# KiCad board Top PCB.kicad_pcb
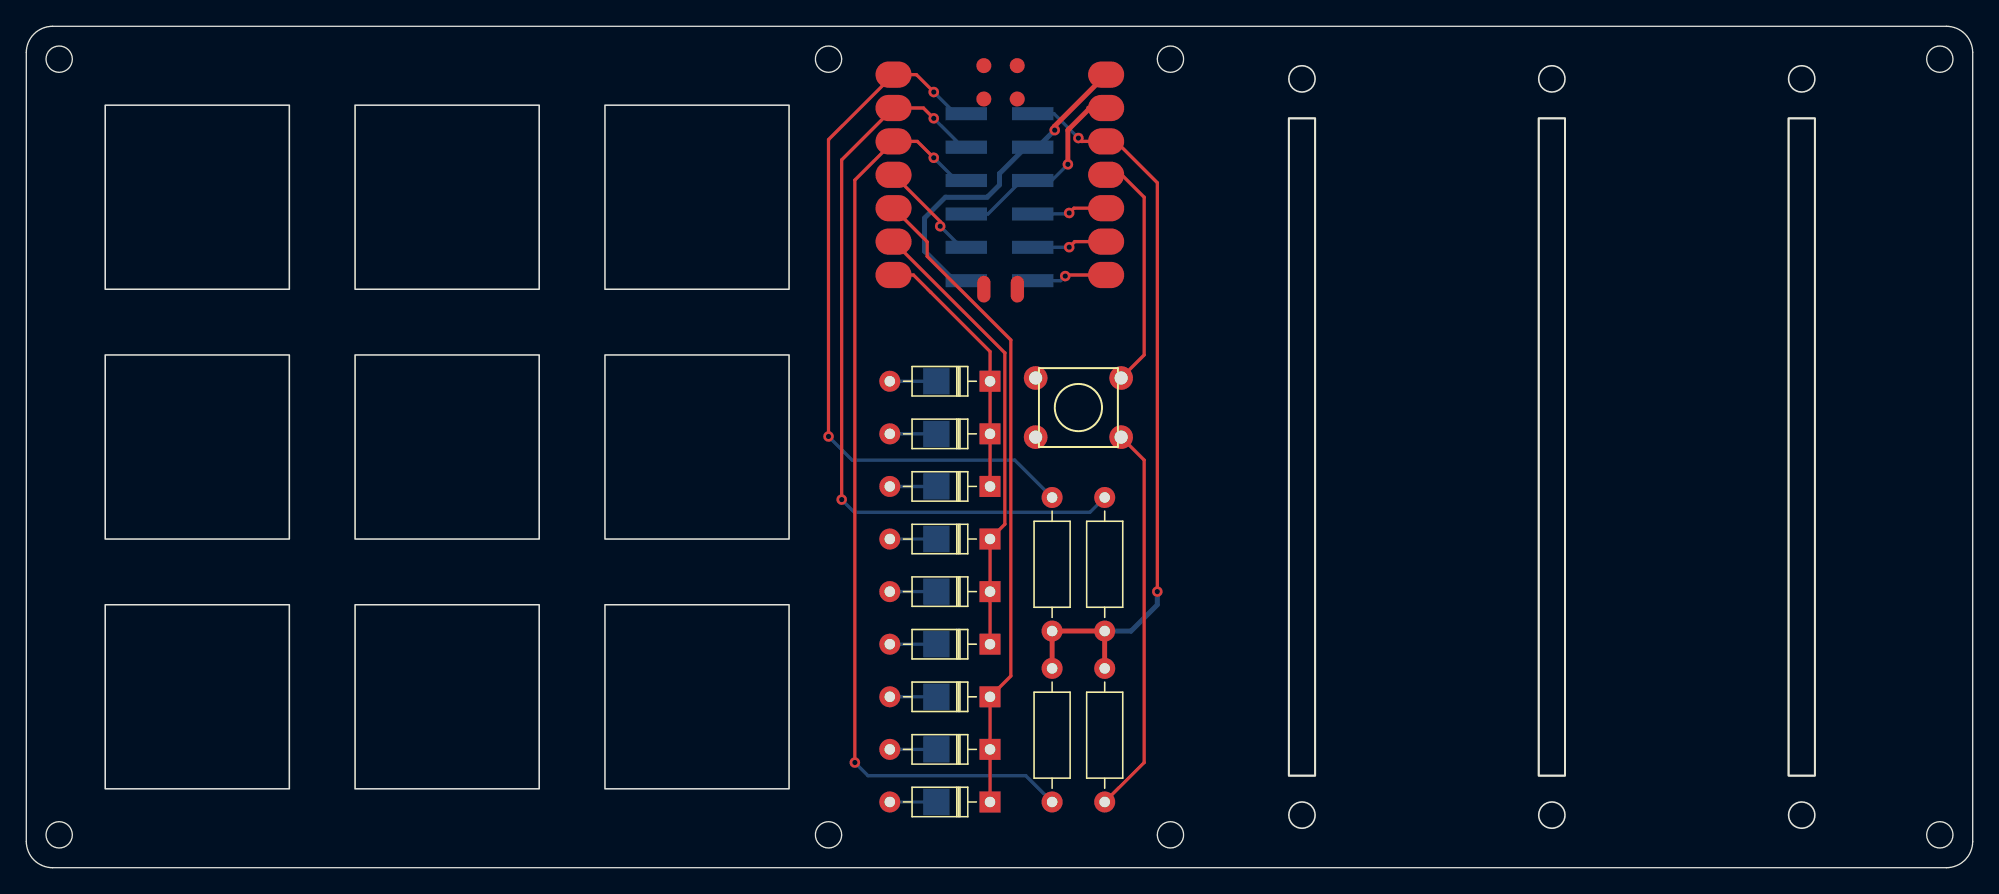
[diagram p0: board, top side]
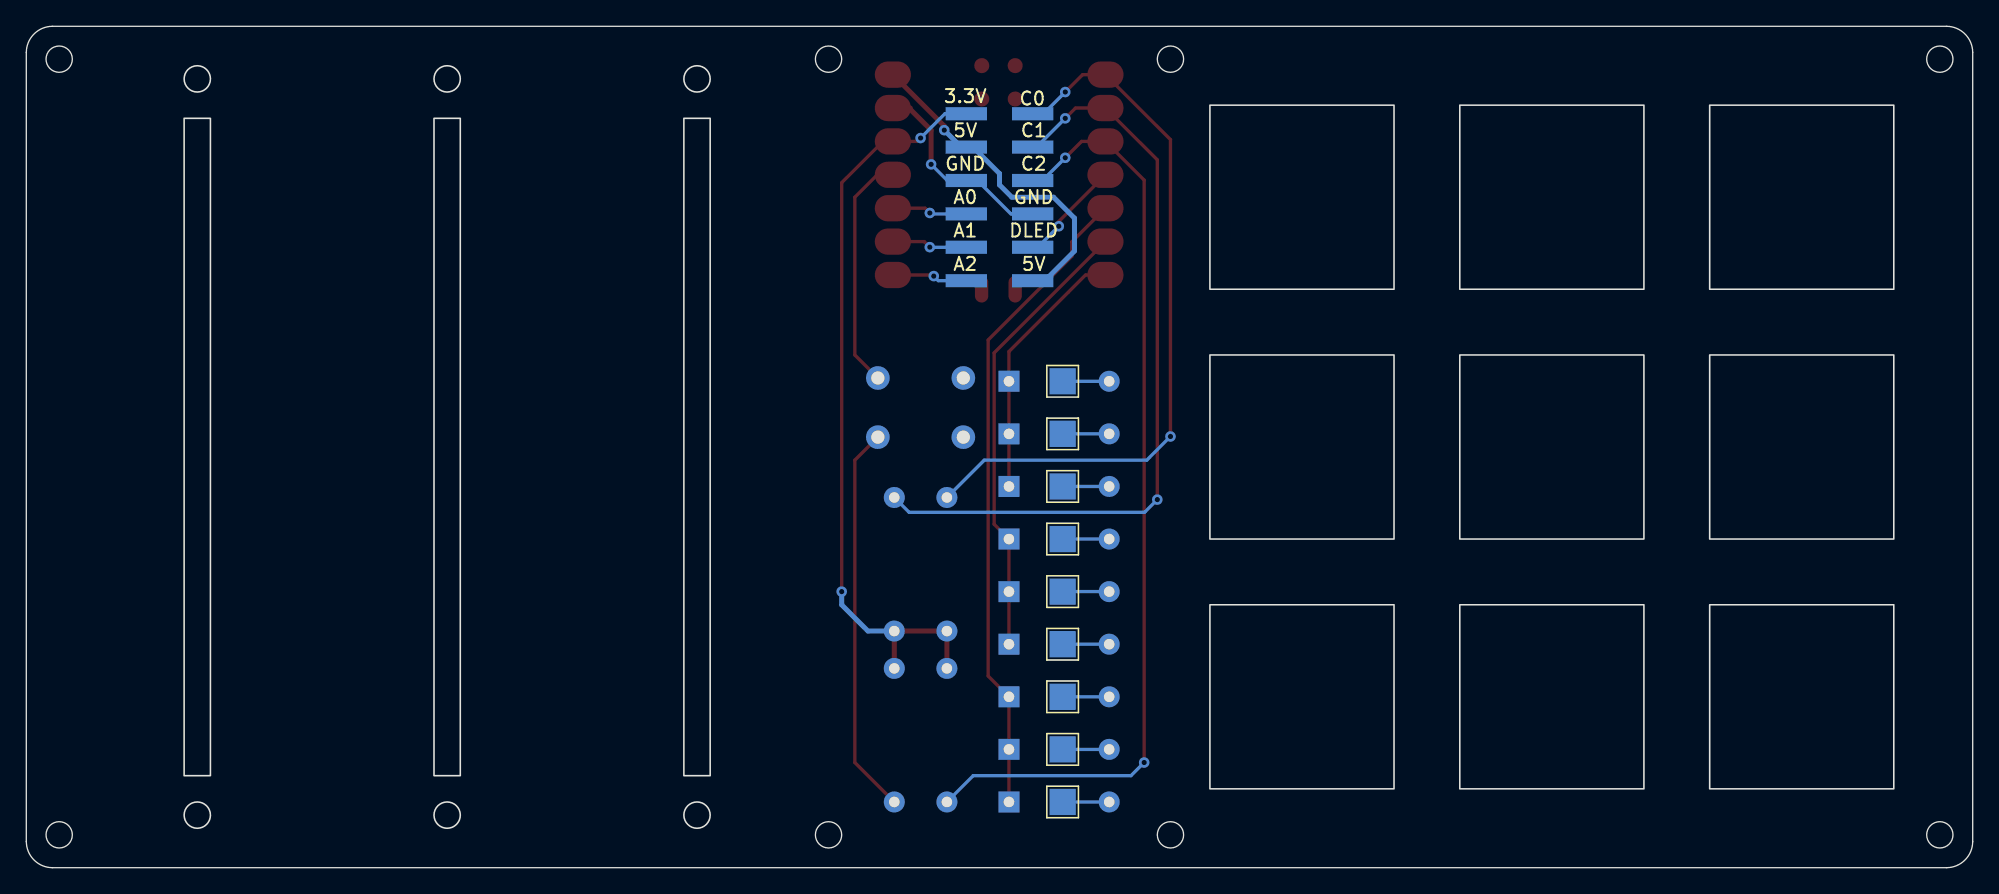
[diagram p1: board, bottom side, seen from below]

Outline 148 x 64 mm; copper layers: Top, Bottom. Coordinates in mm from the lower left corner of the outline.
Outline path: circle c2.5,61.5 r1 ; circle c2.5,2.5 r1 ; circle c61,61.5 r1 ; circle c61,2.5 r1 ; circle c87,61.5 r1 ; circle c87,2.5 r1 ; circle c145.5,61.5 r1 ; circle c145.5,2.5 r1 ; 0,62 arc(0.59,63.41) 2,64 146,64 arc(147.41,63.41) 148,62 148,2 arc(147.41,0.59) 146,0 2,0 arc(0.59,0.59) 0,2 0,62
Stack: Top 0.035mm / dielectric 1.51mm FR4 er 4.5 / Bottom 0.035mm

## Placement (name value [footprint] x y rotation side)
D1  1N4148  [D_DO-35_SOD27_P7.62mm_Horizontal]  73.28 5 180 top
D2  1N4148  [D_DO-35_SOD27_P7.62mm_Horizontal]  73.28 17 180 top
D3  1N4148  [D_DO-35_SOD27_P7.62mm_Horizontal]  73.28 29 180 top
D4  1N4148  [D_DO-35_SOD27_P7.62mm_Horizontal]  73.28 9 180 top
D5  1N4148  [D_DO-35_SOD27_P7.62mm_Horizontal]  73.28 21 180 top
D6  1N4148  [D_DO-35_SOD27_P7.62mm_Horizontal]  73.28 33 180 top
D7  1N4148  [D_DO-35_SOD27_P7.62mm_Horizontal]  73.28 13 180 top
D8  1N4148  [D_DO-35_SOD27_P7.62mm_Horizontal]  73.28 25 180 top
D9  1N4148  [D_DO-35_SOD27_P7.62mm_Horizontal]  73.28 37 180 top
J1  Conn_02x06_Counter_Clockwise  [PinHeader_2x06_P2.54mm_Vertical_SMD]  74 51 180 bottom
J2  TestPoint  [TestPoint_Pad_2.0x2.0mm]  69.2 5 180 bottom
J3  TestPoint  [TestPoint_Pad_2.0x2.0mm]  69.2 17 180 bottom
J4  TestPoint  [TestPoint_Pad_2.0x2.0mm]  69.2 29 180 bottom
J5  TestPoint  [TestPoint_Pad_2.0x2.0mm]  69.2 9 180 bottom
J6  TestPoint  [TestPoint_Pad_2.0x2.0mm]  69.2 21 180 bottom
J7  TestPoint  [TestPoint_Pad_2.0x2.0mm]  69.2 33 180 bottom
J8  TestPoint  [TestPoint_Pad_2.0x2.0mm]  69.2 37 180 bottom
J9  TestPoint  [TestPoint_Pad_2.0x2.0mm]  69.2 13 180 bottom
J10  TestPoint  [TestPoint_Pad_2.0x2.0mm]  69.2 25 180 bottom
MX1  MX-NoLED  [Cherry Cutout]  13 51 0 top
MX2  MX-NoLED  [Cherry Cutout]  32 51 0 top
MX3  MX-NoLED  [Cherry Cutout]  51 51 0 top
MX4  MX-NoLED  [Cherry Cutout]  13 32 0 top
MX5  MX-NoLED  [Cherry Cutout]  32 32 0 top
MX6  MX-NoLED  [Cherry Cutout]  51 32 0 top
MX7  MX-NoLED  [Cherry Cutout]  13 13 0 top
MX8  MX-NoLED  [Cherry Cutout]  32 13 0 top
MX9  MX-NoLED  [Cherry Cutout]  51 13 0 top
R1  10k  [R_Axial_DIN0207_L6.3mm_D2.5mm_P10.16mm_Horizontal]  78 18 90 top
R2  10k  [R_Axial_DIN0207_L6.3mm_D2.5mm_P10.16mm_Horizontal]  82 18 90 top
R3  10k  [R_Axial_DIN0207_L6.3mm_D2.5mm_P10.16mm_Horizontal]  78 5 90 top
R5  10k  [R_Axial_DIN0207_L6.3mm_D2.5mm_P10.16mm_Horizontal]  82 5 90 top
R6  PTA4543-2015DPB103  [Slide Pot Cutout]  97 32 0 top
R7  PTA4543-2015DPB103  [Slide Pot Cutout]  116 32 0 top
R8  PTA4543-2015DPB103  [Slide Pot Cutout]  135 32 0 top
SW1  SW_MEC_5G  [PushButton_6x6mm_TH_Pretty]  80 35 0 top
U1  SeeeduinoXIAO  [Seeeduino XIAO-MOUDLE14P-2.54-21X17.8MM]  74 53 0 top

## Library data of the parts
D1 D5 D6 D9 = -: Field4: K; Field6: K
D2-D4 D7 D8 = -: Field4: K; Field5: K
R6-R8 = -: MANUFACTURER: Bourns; MAXIMUM_PACKAGE_HEIGHT: 21.5 mm; PARTREV: 04/21; STANDARD: Manufacturer Recommendations

## Footprints (pads in the part's own frame, mm; a bottom-side part is the same pattern mirrored in y, then rotated)
D_DO-35_SOD27_P7.62mm_Horizontal
  rect 1.6x1.6 hole 0.8: 1(0,0)
  oval 1.6x1.6 hole 0.8: 2(7.62,0)
PinHeader_2x06_P2.54mm_Vertical_SMD
  rect 3.15x1 smd: 1(-2.525,6.35) 2(2.525,6.35) 3(-2.525,3.81) 4(2.525,3.81) 5(-2.525,1.27) 6(2.525,1.27) 7(-2.525,-1.27) 8(2.525,-1.27) 9(-2.525,-3.81) 10(2.525,-3.81) 11(-2.525,-6.35) 12(2.525,-6.35)
PushButton_6x6mm_TH_Pretty
  round 1.8 hole 1: 1(3.25,2.25) 2(-3.25,-2.25) 3(3.25,-2.25) 4(-3.25,2.25)
R_Axial_DIN0207_L6.3mm_D2.5mm_P10.16mm_Horizontal
  round 1.6 hole 0.8: 1(0,0)
  oval 1.6x1.6 hole 0.8: 2(10.16,0)
Seeeduino XIAO-MOUDLE14P-2.54-21X17.8MM
  oval 2.748x1.999 smd: 1(-8.057,7.323) 2(-8.057,4.783) 3(-8.057,2.243) 4(-8.057,-0.297) 5(-8.057,-2.837) 6(-8.057,-5.377) 7(-8.057,-7.917) 8(8.108,-7.917) 9(8.108,-5.377) 10(8.108,-2.837) 11(8.108,-0.297) 12(8.108,2.243) 13(8.108,4.783) 14(8.108,7.323)
  oval 1.016x2.032 smd: 15(-1.19,-8.995) 16(1.36,-8.995)
  round 1.143 smd: 17(-1.191,8.009) 18(1.349,8.009) 19(-1.191,5.469) 20(1.349,5.469)
TestPoint_Pad_2.0x2.0mm
  rect 2x2 smd: 1(0,0)

## Nets
+3.3V: J1.1 R1.1 R2.1 R3.2 R5.2 U1.12
+5V: J1.3 J1.12 U1.14
GND: J1.5 J1.8 U1.13
A0: J1.7 U1.10
A1: J1.9 U1.9
A2: J1.11 U1.8
C0: J1.2 R1.2 U1.1
C1: J1.4 R2.2 U1.2
C2: J1.6 R3.1 U1.3
DLED: J1.10 U1.4
R0: D1.1 D4.1 D7.1 U1.5
R1: D2.1 D5.1 D8.1 U1.6
R2: D3.1 D6.1 D9.1 U1.7
Net-(D1-Pad2): D1.2 J2.1
Net-(D2-Pad2): D2.2 J3.1
Net-(D3-Pad2): D3.2 J4.1
Net-(D4-Pad2): D4.2 J5.1
Net-(D5-Pad2): D5.2 J6.1
Net-(D6-Pad2): D6.2 J7.1
Net-(D7-Pad2): D7.2 J9.1
Net-(D8-Pad2): D8.2 J10.1
Net-(D9-Pad2): D9.2 J8.1
Net-(R5-Pad1): R5.1 SW1.3 SW1.4
Net-(SW1-Pad1): SW1.1 SW1.2 U1.11

Pads without a net: U1 15 16 17 18 19 20

## Via types
v1: diameter 0.8, hole 0.4, Top to Bottom, 14 vias

## Routing (per net, layer and track width the routed paths; a pad name or vN(x,y) marks a point on that pad's centre or on a via; arc(x,y) is an arc through that point)
+3.3V: length 58.3
  Top w0.254: v1(80,55.5) 80.26,55.24 U1.12 82.86,55.24 86,52.1 v1(86,21)
  Top w0.381: R3.2 R1.1 R2.1 R5.2
  Bottom w0.254: v1(80,55.5) 78.15,57.35 J1.1
  Bottom w0.381: v1(86,21) 86,20 84,18 R2.1
+5V: length 25.1
  Top w0.381: 81.7,59.91 78.2,56.42 v1(78.2,56.1)
  Bottom w0.381: v1(78.2,56.1) 76.91,54.81 J1.3 76.01,54.81 74,52.8 74,51.94 73.06,51 69.89,51 68.3,49.41 68.3,46.9 70.55,44.65 J1.12
GND: length 16.8
  Top w0.381: 80.78,57.78 U1.13 80.88,57.78 79.2,56.1 v1(79.2,53.5)
  Bottom w0.254: J1.8 73.13,49.73 75.67,52.27 J1.5 77.97,52.27 v1(79.2,53.5)
A0: length 5.8
  Top w0.254: U1.10 79.66,50.16 v1(79.3,49.8)
  Bottom w0.254: v1(79.3,49.8) 79.23,49.73 J1.7
A1: length 6.5
  Top w0.254: U1.9 79.72,47.62 v1(79.3,47.2)
  Bottom w0.254: v1(79.3,47.2) 79.29,47.19 J1.9 75.81,47.19
A2: length 5.8
  Top w0.254: v1(79,45) 79.08,45.08 U1.8
  Bottom w0.254: v1(79,45) 78.65,44.65 J1.11
C0: length 55.3
  Top w0.254: v1(69,59) 67.68,60.32 U1.1 61,55.38 v1(61,32.8)
  Bottom w0.254: J1.2 70.65,57.35 v1(69,59) ; R1.2 75.16,31 62.8,31 v1(61,32.8)
C1: length 59
  Top w0.254: v1(69,57) 68.22,57.78 U1.2 62,53.84 v1(62,28)
  Bottom w0.254: J1.4 71.19,54.81 v1(69,57) ; v1(62,28) 62.97,27.03 80.87,27.03 R2.2
C2: length 71.5
  Top w0.254: v1(69,54) 67.76,55.24 U1.3 63,52.3 v1(63,8)
  Bottom w0.254: v1(69,54) 70.73,52.27 J1.6 ; v1(63,8) 64,7 76,7 R3.1
DLED: length 8
  Top w0.254: v1(69.49,48.79) 69.49,49.15 U1.4
  Bottom w0.254: v1(69.49,48.79) 71.09,47.19 J1.10
R0: length 49.5
  Top w0.254: D1.1 D4.1 D7.1 74.86,14.58 74.86,40.14 68.5,46.5 68.5,47.61 U1.5
R1: length 34.6
  Top w0.254: U1.6 74.41,39.16 74.41,26.13 D8.1 D5.1 D2.1
R2: length 20
  Top w0.254: U1.7 67.46,45.08 73.28,39.26 D9.1 D6.1 D3.1
Net-(D1-Pad2): length 3.5
  Bottom w0.254: J2.1 D1.2
Net-(D2-Pad2): length 3.5
  Bottom w0.254: J3.1 D2.2
Net-(D3-Pad2): length 3.5
  Bottom w0.254: J4.1 D3.2
Net-(D4-Pad2): length 3.5
  Bottom w0.254: J5.1 D4.2
Net-(D5-Pad2): length 3.5
  Bottom w0.254: J6.1 D5.2
Net-(D6-Pad2): length 3.5
  Bottom w0.254: J7.1 D6.2
Net-(D7-Pad2): length 3.5
  Bottom w0.254: J9.1 D7.2
Net-(D8-Pad2): length 3.5
  Bottom w0.254: J10.1 D8.2
Net-(D9-Pad2): length 3.5
  Bottom w0.254: J8.1 D9.2
Net-(R5-Pad1): length 29.7
  Top w0.254: R5.1 85,8 85,31 SW1.3
Net-(SW1-Pad1): length 18.1
  Top w0.254: SW1.1 85,39 85,51 83.3,52.7 U1.11

## Text on the board
B.Silkscreen: C1 | C2 | GND | DLED | 5V | C0 | 3.3V | A0 | A1 | A2
